# Altium PCB RK_NVR_DEMO1_RK3588_LP4XD200P232SD8_V21_20211228_final_lint.PcbDoc (part 21 of 29) (continued)
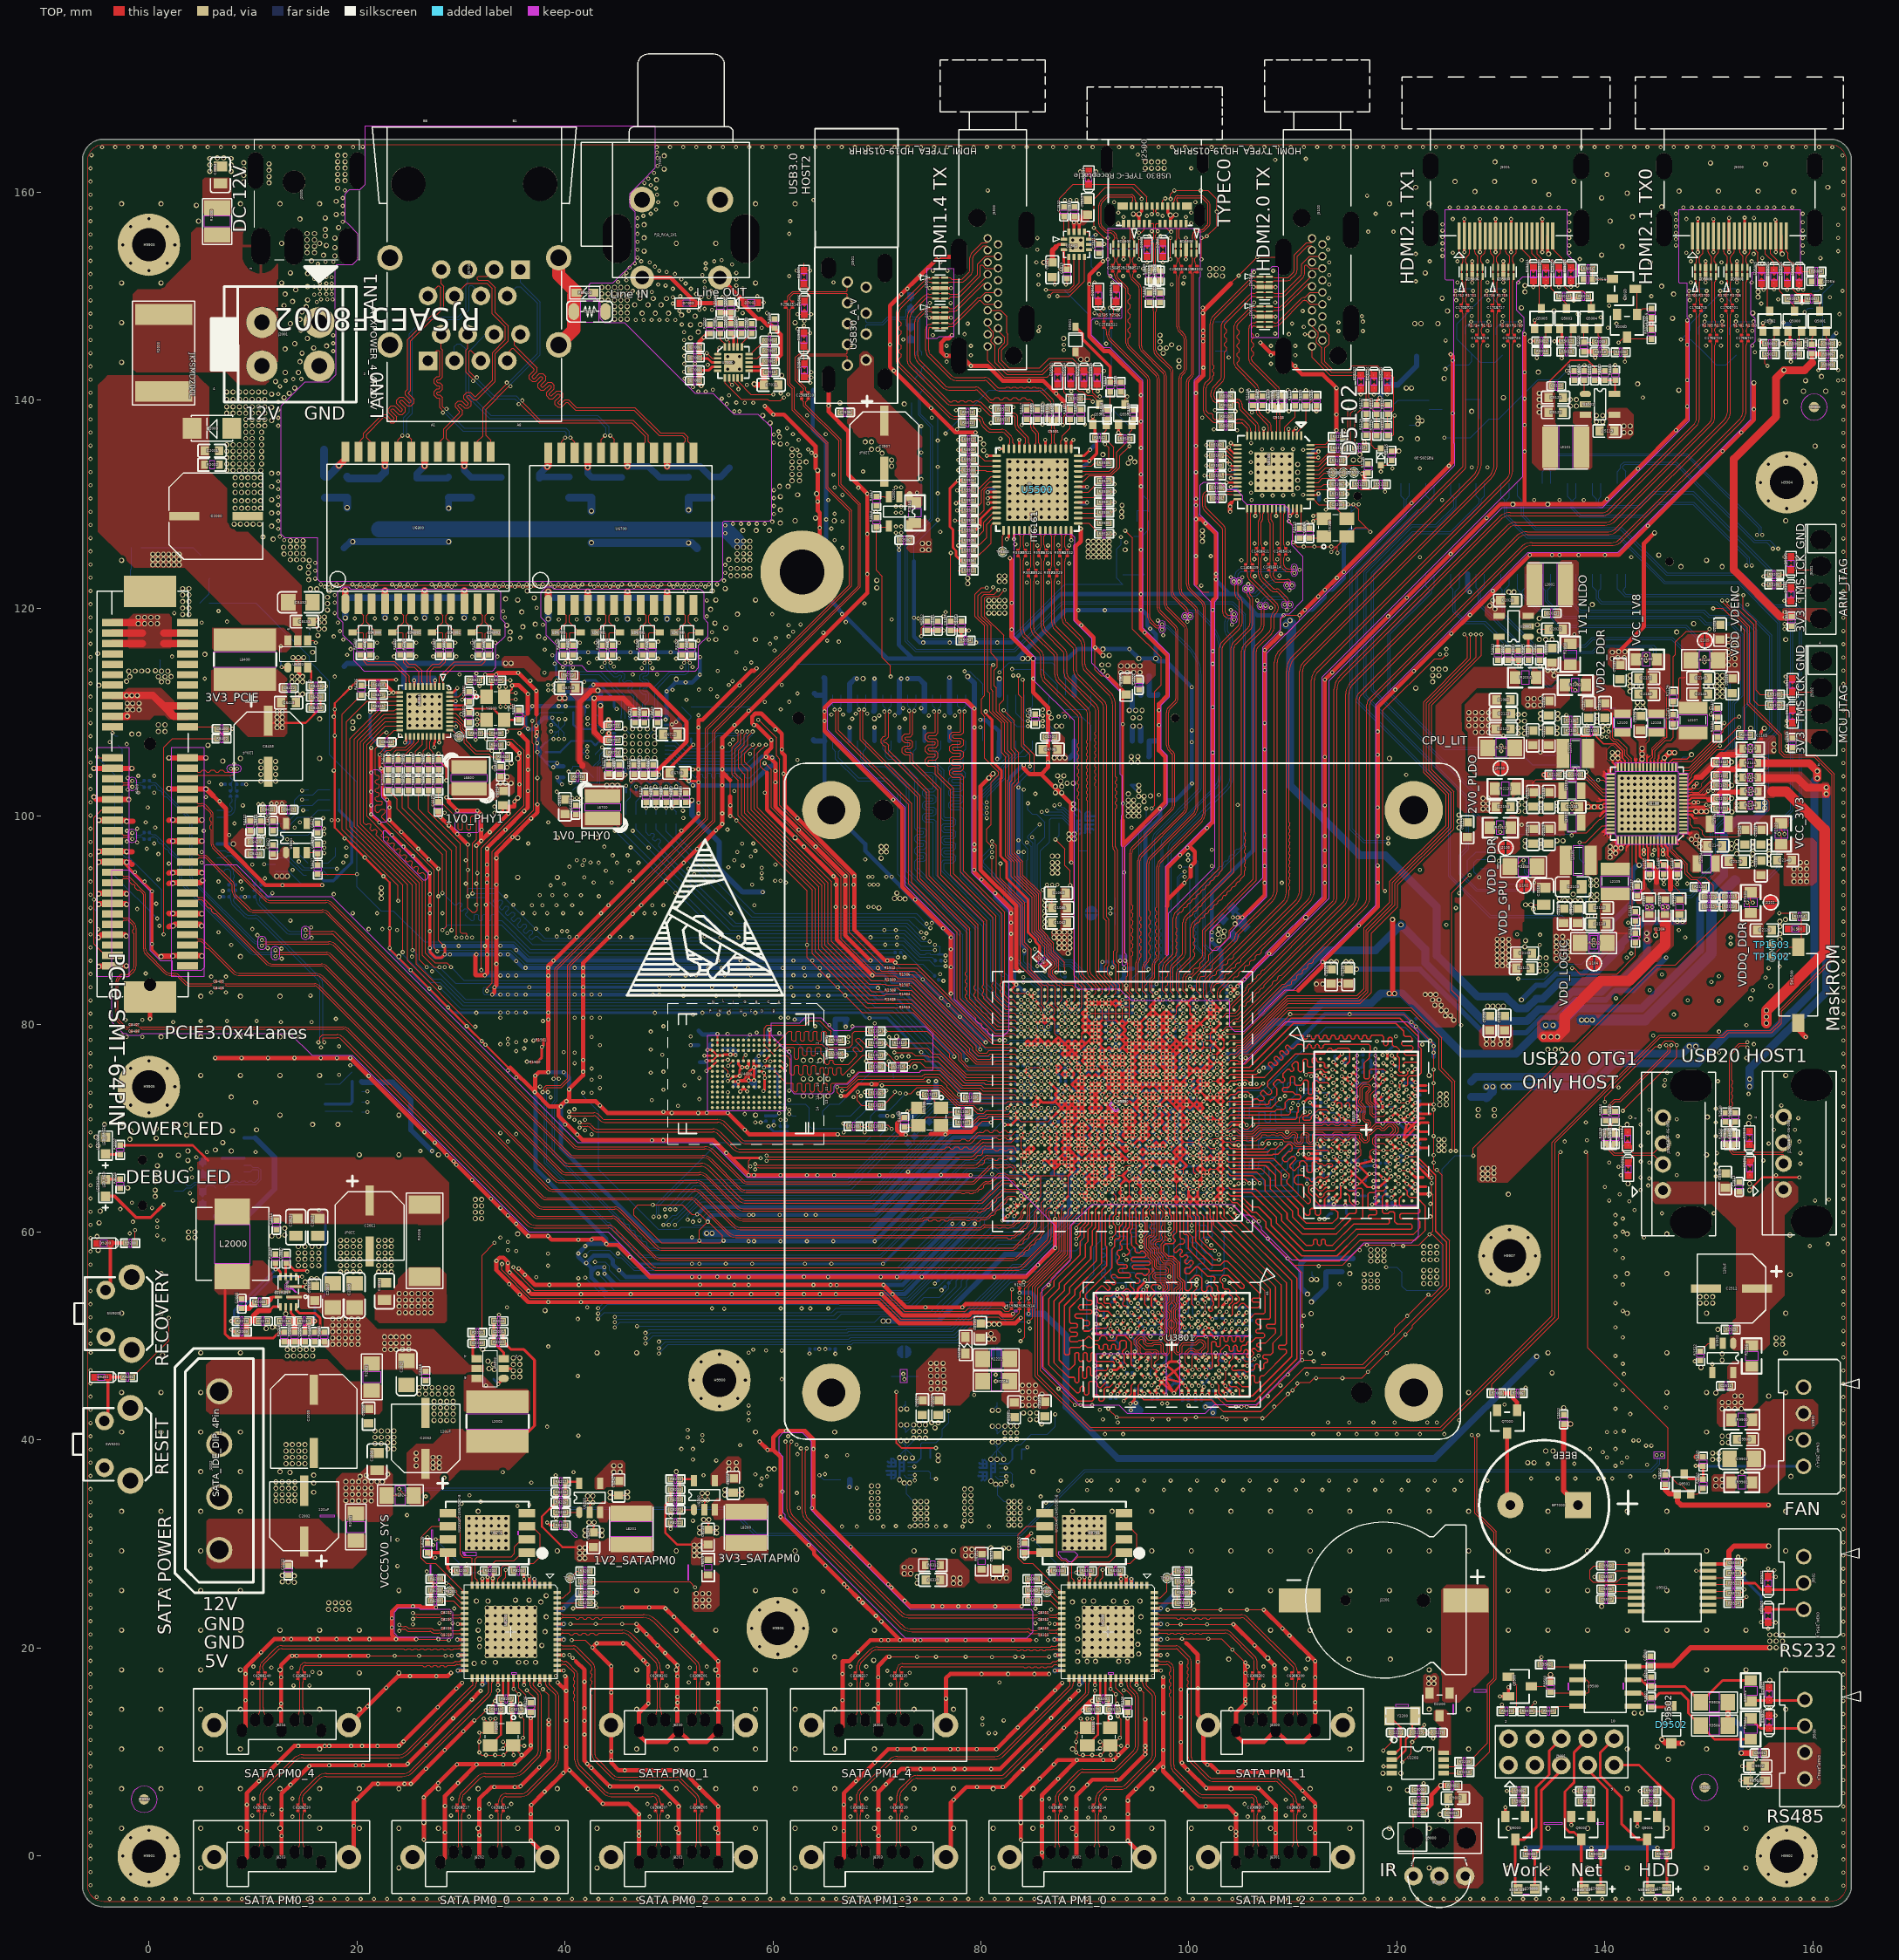
[diagram p0: TOP view]
## Nets (pads, with @x,y where several pads share a name; then routed paths per layer and width w, separated by ;. In a path a pad name is that pad's centre, name@x,y a point inside that pad or via, vN(x,y) a via of type N, cw(c..) or ccw(c..) an arc to the next point about the centre after c; other vN are vias at no path point) (continued)
  L6-S2 w0.089: 82.09,67.196 83.202,67.196 83.342,67.055 85.49,67.055 v4(85.815,67.38)
  L6-S2 w0.102: v4(66.819,69.593) 67.901,69.593 68.317,69.177 71.162,69.177 73.143,67.196 82.09,67.196 ; v4(82.186,13.043) 82.389,12.84 89.222,12.84 89.399,12.662 99.331,12.662 101.998,9.995 115.104,9.995 116.472,8.628 v4(118.707,8.628)
  other v3: 118.707,8.628 82.186,13.043 85.815,67.38 66.819,69.593
  other v12: 118.707,8.628 82.186,13.043 85.815,67.38 66.819,69.593
  other v17: 82.186,13.043 66.819,69.593
SARADC_VIN5_HW_ID: C1502.1 R9300.2 R9301.1 U1000.AK15 | length 3.6
  TOP w0.089: v4(94.915,81.031) U1000.AK15@95.241,80.706
  BOTTOM w0.089: R9300.2@92.088,81.217 92.82,81.217 R9301.1@92.864,81.261 93.306,80.819 94.219,80.819 C1502.1@94.515,81.115 94.831,81.115 v4(94.915,81.031)
  other v3: 94.915,81.031
SATA30_0_RXN: C8216.1 U1000.N34 | length 108.5
  TOP w0.076: v4(24.071,22.229) ccw(c24.415,22.574) 24.415,22.086 24.572,22.086 cw(c24.573,21.581) 24.93,21.938 ccw(c25.063,22.071) 25.063,21.882 27.119,21.882 cw(c27.119,21.637) 27.292,21.81 27.333,21.77 ccw(c27.423,21.86) 27.423,21.732 27.942,21.732 ccw(c27.941,22.281) C8216.1@28.33,21.893 ; v4(40.403,71.574) ccw(c40.671,71.842) 40.671,71.463 42.762,71.463 cw(c42.763,70.749) 43.267,71.254 43.518,71.004 ccw(c43.942,71.428) 43.942,70.828 54.684,70.828 cw(c54.685,69.768) 55.434,70.518 57.009,68.943 ccw(c57.425,69.359) 57.425,68.771 78.006,68.771 78.209,68.974 78.438,68.974 78.641,68.771 78.833,68.771 ccw(c78.833,68.859) 78.896,68.797 78.978,68.879 79.537,69.438 cw(c79.888,69.087) 79.888,69.584 80.228,69.584 80.431,69.787 80.66,69.787 80.863,69.584 81.092,69.584 81.295,69.787 81.523,69.787 81.727,69.584 81.955,69.584 82.158,69.787 82.387,69.787 82.59,69.584 82.819,69.584 U1000.N34@82.891,69.656
  L6-S2 w0.076: v4(24.071,22.229) ccw(c24.232,22.39) 24.232,22.162 24.375,22.162 ccw(c24.376,22.441) 24.655,22.441 24.655,31.57 29.318,36.233 34.297,36.233 39.082,41.018 39.082,70.463 cw(c39.864,70.463) 39.311,71.016 39.589,71.295 cw(c40.132,70.753) 40.132,71.519 40.27,71.519 ccw(c40.27,71.708) v4(40.403,71.574)
  other v3: 24.071,22.229 40.403,71.574
  other v12: 24.071,22.229 40.403,71.574
SATA30_0_RXP: C8218.1 U1000.N33 | length 108.7
  TOP w0.076: v4(24.071,21.663) cw(c24.415,21.319) 24.415,21.806 24.572,21.806 cw(c24.573,21.581) 24.732,21.74 ccw(c25.063,22.071) 25.063,21.603 27.017,21.603 cw(c27.017,21.393) 27.166,21.541 ccw(c27.38,21.756) 27.38,21.453 27.931,21.453 cw(c27.931,20.952) 28.285,21.306 C8218.1@28.33,21.262 ; v4(40.403,71.073) cw(c40.671,70.804) 40.671,71.184 42.762,71.184 cw(c42.762,70.749) 43.07,71.057 43.32,70.806 ccw(c43.942,71.428) 43.942,70.549 54.684,70.549 cw(c54.684,69.768) 55.236,70.32 56.811,68.745 ccw(c57.424,69.359) 57.425,68.491 78.833,68.491 ccw(c78.833,68.859) 79.093,68.599 79.176,68.682 79.735,69.241 cw(c79.888,69.087) 79.888,69.304 82.973,69.304 83.325,69.656 U1000.N33@83.541,69.656
  L6-S2 w0.076: v4(24.071,21.663) 24.143,21.736 cw(c24.374,21.505) 24.374,21.832 ; 24.375,21.832 ccw(c24.376,22.441) 24.985,22.441 24.985,31.433 29.455,35.903 34.434,35.903 39.412,40.882 39.412,70.464 cw(c39.864,70.463) 39.544,70.782 39.823,71.061 cw(c40.132,70.753) 40.132,71.189 cw(c40.132,70.816) 40.396,71.079 v4(40.403,71.073)
  other v3: 24.071,21.663 40.403,71.073
  other v12: 24.071,21.663 40.403,71.073
SATA30_0_TXN: C8210.1 U1000.M33 | length 103.8
  TOP w0.076: v4(25.391,22.806) cw(c25.737,22.461) 25.737,22.949 27.983,22.949 cw(c27.983,22.563) 28.256,22.836 C8210.1@28.33,22.762 ; v4(41.419,70.057) cw(c41.687,69.788) 41.687,70.168 42.157,70.168 cw(c42.157,69.839) 42.39,70.072 42.644,69.818 ccw(c43.086,70.261) 43.087,69.634 54.22,69.634 cw(c54.22,68.897) 54.741,69.418 56.163,67.996 ccw(c56.869,68.701) 56.869,67.704 79.036,67.704 ccw(c79.036,68.167) 79.364,67.84 79.437,67.913 80.047,68.522 cw(c80.278,68.291) 80.278,68.618 82.913,68.618 83.301,69.006 U1000.M33@83.541,69.006
  L6-S2 w0.076: v4(25.391,22.806) 25.458,22.872 cw(c25.642,22.688) 25.642,22.949 ccw(c25.642,23.356) 25.93,23.068 25.933,23.071 ccw(c25.524,23.48) 26.103,23.48 26.103,31.128 30.065,35.09 34.942,35.09 40.581,40.729 40.581,69.655 cw(c40.9,69.655) 40.674,69.88 40.812,70.018 40.865,70.071 cw(c41.038,69.898) 41.038,70.142 41.212,70.142 cw(c41.212,69.85) v4(41.419,70.057)
  other v3: 25.391,22.806 41.419,70.057
  other v12: 25.391,22.806 41.419,70.057
SATA30_0_TXP: C8212.1 U1000.M34 | length 103.9
  TOP w0.076: v4(25.391,23.371) ccw(c25.736,23.716) 25.736,23.229 27.983,23.229 ccw(c27.983,23.67) 28.295,23.358 C8212.1@28.33,23.393 ; v4(41.419,70.558) ccw(c41.687,70.826) 41.687,70.447 42.157,70.447 cw(c42.157,69.839) 42.587,70.269 42.841,70.015 ccw(c43.086,70.261) 43.087,69.914 54.22,69.914 cw(c54.22,68.897) 54.939,69.616 56.361,68.194 ccw(c56.869,68.701) 56.869,67.983 76.483,67.983 76.687,68.187 76.915,68.187 77.118,67.983 77.347,67.983 77.55,68.187 77.779,68.187 77.982,67.983 78.211,67.983 78.414,68.187 78.642,68.187 78.846,67.983 79.036,67.983 ccw(c79.036,68.167) 79.166,68.037 79.24,68.111 79.849,68.72 cw(c80.278,68.291) 80.278,68.898 81.055,68.898 81.259,69.101 81.487,69.101 81.69,68.898 81.919,68.898 82.122,69.101 82.351,69.101 82.554,68.898 82.783,68.898 U1000.M34@82.891,69.006
  L6-S2 w0.076: v4(25.391,23.371) 25.458,23.305 ccw(c25.642,23.489) 25.51,23.265 cw(c25.641,22.688) 25.642,23.279 ccw(c25.642,23.356) 25.696,23.302 25.699,23.305 ccw(c25.524,23.48) 25.772,23.48 25.772,31.265 29.928,35.421 34.805,35.421 40.25,40.866 40.25,69.655 cw(c40.899,69.655) 40.44,70.114 40.631,70.304 cw(c41.037,69.898) 41.038,70.473 41.212,70.473 ccw(c41.212,70.766) v4(41.419,70.558)
  other v3: 25.391,23.371 41.419,70.558
  other v12: 25.391,23.371 41.419,70.558
SATA30_1_RXN: C8316.1 U1000.J34 | length 90.6
  TOP w0.076: v4(58.297,66.044) cw(c58.627,65.714) 58.627,66.18 79.358,66.18 ccw(c79.358,66.874) 79.849,66.383 79.951,66.485 80.154,66.485 80.357,66.688 80.357,66.891 80.459,66.993 cw(c80.704,66.747) 80.704,67.094 81.125,67.094 81.328,66.891 81.557,66.891 81.76,67.094 81.988,67.094 82.09,66.993 82.522,66.993 82.623,67.094 82.852,67.094 U1000.J34@82.891,67.055 ; v4(61.78,39.866) ccw(c62.125,39.52) 61.637,39.52 61.637,33.363 ccw(c62.523,33.363) 61.897,32.737 72.337,22.296 72.373,22.26 ccw(c73.346,23.234) 73.347,21.857 84.566,21.857 cw(c84.566,21.621) 84.733,21.788 ccw(c84.995,22.05) 84.995,21.679 85.217,21.679 ccw(c85.217,22.409) C8316.1@85.734,21.893
  L6-S2 w0.076: v4(58.297,66.044) cw(c58.505,65.836) 58.505,66.129 cw(c58.505,65.943) 58.691,65.943 58.691,41.397 ccw(c59.296,41.397) 58.868,40.969 60.563,39.274 ccw(c60.851,39.561) 60.851,39.154 61.155,39.154 ccw(c61.155,39.561) 61.561,39.561 cw(c61.768,39.561) 61.621,39.707 v4(61.78,39.866)
  other v3: 61.78,39.866 58.297,66.044
  other v12: 61.78,39.866 58.297,66.044
SATA30_1_RXP: C8318.1 U1000.J33 | length 90.8
  TOP w0.076: v4(58.297,66.545) ccw(c58.505,66.752) 58.505,66.459 79.358,66.459 ccw(c79.358,66.874) 79.651,66.581 80.261,67.19 cw(c80.704,66.747) 80.704,67.374 83.222,67.374 U1000.J33@83.541,67.055 ; v4(61.215,39.866) cw(c60.87,39.521) 61.358,39.521 61.358,33.363 ccw(c62.523,33.363) 61.699,32.539 72.139,22.099 72.175,22.063 ccw(c73.346,23.234) 73.347,21.577 84.422,21.578 cw(c84.422,21.274) 84.637,21.489 ccw(c84.851,21.703) 84.851,21.4 85.401,21.4 cw(c85.401,20.93) C8318.1@85.734,21.262
  L6-S2 w0.076: v4(58.297,66.545) ccw(c58.504,66.752) 58.504,66.46 cw(c58.505,65.943) 59.021,65.943 59.021,41.397 ccw(c59.296,41.397) 59.101,41.203 60.797,39.507 ccw(c60.851,39.561) 60.851,39.485 61.155,39.485 ccw(c61.155,39.561) 61.231,39.561 61.231,39.85 v4(61.215,39.866)
  other v3: 61.215,39.866 58.297,66.545
  other v12: 61.215,39.866 58.297,66.545
SATA30_1_TXN: C8312.1 U1000.K34 | length 87.8
  TOP w0.076: v4(59.394,66.856) cw(c59.662,66.588) 59.662,66.967 79.014,66.967 ccw(c79.014,67.667) 79.509,67.172 79.735,67.398 80.022,67.398 80.184,67.56 80.184,67.847 80.25,67.913 80.266,67.929 cw(c80.459,67.736) 80.459,68.009 81.208,68.009 81.411,67.806 81.64,67.806 81.843,68.009 82.071,68.009 82.275,67.806 82.503,67.806 82.706,68.009 82.99,68.009 83.067,67.933 83.067,67.782 82.99,67.705 U1000.K34@82.891,67.705 ; v4(62.688,39.207) cw(c62.344,38.862) 62.831,38.862 62.831,33.079 ccw(c63.919,33.079) 63.149,32.31 72.192,23.268 ccw(c73.022,24.098) 73.022,22.924 85.344,22.924 cw(c85.344,22.372) C8312.1@85.734,22.762
  L6-S2 w0.076: v4(59.394,66.856) cw(c59.601,66.649) 59.601,66.942 59.63,66.942 cw(c59.63,66.777) 59.795,66.777 59.795,66.526 ccw(c60.027,66.448) 59.794,66.525 ccw(c61.104,66.039) 59.707,66.039 59.707,43.607 ccw(c61.047,43.607) 60.099,42.659 62.748,40.011 cw(c62.67,39.933) 62.78,39.933 62.78,39.429 cw(c62.466,39.429) v4(62.688,39.207)
  other v3: 62.688,39.207 59.394,66.856
  other v12: 62.688,39.207 59.394,66.856
SATA30_1_TXP: C8310.1 U1000.K33 | length 87.8
  TOP w0.076: v4(59.394,67.358) ccw(c59.662,67.626) 59.662,67.247 79.014,67.247 ccw(c79.014,67.667) 79.312,67.37 80.069,68.127 cw(c80.458,67.736) 80.458,68.288 83.106,68.288 83.346,68.048 83.346,67.9 U1000.K33@83.541,67.705 ; v4(63.253,39.207) ccw(c63.599,38.861) 63.11,38.861 63.11,33.079 ccw(c63.919,33.079) 63.347,32.508 72.389,23.465 ccw(c73.022,24.098) 73.022,23.203 85.276,23.203 ccw(c85.276,23.851) C8310.1@85.734,23.393
  L6-S2 w0.076: v4(59.394,67.358) ccw(c59.601,67.565) 59.601,67.272 59.63,67.272 cw(c59.63,66.777) 60.125,66.777 60.125,66.478 cw(c60.048,66.477) 60.119,66.449 ccw(c61.104,66.04) 60.104,66.41 ccw(c61.103,66.038) 60.037,66.038 60.037,43.607 ccw(c61.047,43.607) 60.333,42.893 62.982,40.244 cw(c62.67,39.933) 63.11,39.933 63.11,39.552 ccw(c63.599,39.552) v4(63.253,39.207)
  other v3: 63.253,39.207 59.394,67.358
  other v12: 63.253,39.207 59.394,67.358
SATAPM0_GPIO0: U8200.17 U8201.6 | length 10.6
  TOP w0.102: U8201.6@28.738,31.719 27.227,31.719 26.179,30.671 26.179,28.639 26.687,28.131 27.562,28.131 U8200.17@30.365,25.328
SATAPM0_GPIO1: U8200.16 U8201.5 | length 8.6
  TOP w0.102: U8201.5@28.738,32.989 29.195,32.989 29.938,32.246 29.938,29.02 30.205,28.753 30.916,28.753 31.065,28.604 U8200.16@31.065,26.028
SATAPM0_GPIO2: U8200.15 U8201.2 | length 8.8
  TOP w0.102: U8200.15@31.565,26.028 31.565,26.504 31.36,26.708 31.36,28.563 31.589,28.791 34.84,28.791 35.145,29.096 35.145,29.731 35.863,30.449 U8201.2@36.339,30.449
SATAPM0_GPIO3: R8204.2 U8200.11 U8201.3 | length 10.2
  TOP w0.102: U8200.11@33.565,26.028 33.565,26.678 33.9,27.013 33.9,27.724 34.104,27.928 34.568,27.928 R8204.2@35.076,27.42 35.787,28.131 36.974,28.131 37.609,28.766 37.609,30.925 36.815,31.719 U8201.3@36.339,31.719
SATAPM0_GPIO4: R8205.2 U8200.10 U8201.7 | length 11.3
  TOP w0.102: v4(27.576,30.449) U8201.7@28.738,30.449 ; R8205.2@30.49,27.42 30.49,27.971 v4(30.548,28.029) ; U8200.10@34.065,26.028 34.065,26.568 34.307,26.81 v4(34.307,27.521)
  BOTTOM w0.102: v4(27.576,30.449) 29.995,28.029 v4(30.548,28.029) 33.799,28.029 v4(34.307,27.521)
  other v3: 34.307,27.521 30.548,28.029 27.576,30.449
SATAPM0_GPIO12: R8202.2 TP8200.1 U8200.63 | length 4
  TOP w0.102: U8200.63@39.265,24.827 39.843,24.827 40.495,25.48 TP8200.1@40.495,26.732 41.166,27.403 R8202.2@41.509,27.403
SATAPM0_GPIO13: R8210.2 TP8201.1 U8200.19 | length 2.9
  TOP w0.102: R8210.2@27.997,25.557 28.806,25.557 TP8201.1@28.938,25.424 30.035,24.328 U8200.19@30.365,24.328
SATAPM0_GPIO14: R8203.2 R8208.2 U8200.18 U8201.1 | length 12.2
  TOP w0.102: R8208.2@27.997,26.632 28.185,26.632 v4(28.592,26.226) 28.848,26.226 29.608,25.466 29.608,25.21 29.99,24.827 U8200.18@30.365,24.827 ; v4(31.767,27.27) 31.916,27.42 R8203.2@32.333,27.42 33.323,28.41 35.094,28.41 35.863,29.179 U8201.1@36.339,29.179
  BOTTOM w0.102: v4(28.592,26.226) 29.636,27.27 v4(31.767,27.27)
  other v3: 28.592,26.226 31.767,27.27
SATAPM0_REXT: R8206.1 U8200.42 | length 2.9
  TOP w0.102: U8200.42@35.565,17.127 35.565,16.147 36.246,15.465 36.246,15.211 R8206.1@36.72,14.738
SATAPM0_RSTN: C8204.1 R8200.2 R8201.2 U8200.62 | length 4.3
  TOP w0.102: U8200.62@39.265,24.328 41.501,24.328 C8204.1@41.509,24.319 R8200.2@41.509,25.345 R8201.2@41.509,26.374
SATAPM0_RSTN_L_GPIO4_A0: R8201.1 U1000.AK30 | length 135.8
  TOP w0.102: R8201.1@42.41,26.374 51.989,26.374 v4(52.519,25.845) ; v4(85.166,81.031) U1000.AK30@85.491,80.706
  L4-S1 w0.102: v4(39.717,88.938) 39.615,88.837 39.615,79.083 35.755,75.222 35.755,62.929 40.123,58.56 40.123,49.213 51.807,37.529 51.807,26.556 v4(52.519,25.845)
  L6-S2 w0.102: v4(39.717,88.938) 40.07,89.291 61.203,89.291 63.756,91.844 70.542,91.844 71.188,91.199 76.877,91.199 83.557,84.519 v4(84.091,84.519)
  BOTTOM w0.102: v4(84.091,84.519) 84.218,84.392 84.726,84.392 85.7,83.418 85.7,81.556 85.175,81.031 v4(85.166,81.031)
  other v3: 52.519,25.845 85.166,81.031 84.091,84.519 39.717,88.938
  other v12: 84.091,84.519 39.717,88.938
  other v17: 52.519,25.845 39.717,88.938
SATAPM0_RXN0: C8217.1 U8200.45 | length 17.7
  TOP w0.076: C8217.1@30.251,4.898 cw(c30.579,5.225) 30.116,5.225 30.116,5.563 cw(c30.636,5.563) 30.268,5.931 31.741,7.404 cw(c32.355,6.791) 32.355,7.658 35.044,7.658 ccw(c35.043,9.103) 36.064,8.081 36.104,8.121 37.375,9.391 ccw(c36.502,10.263) 37.736,10.263 37.736,15.346 ccw(c37.042,15.347) 37.533,15.837 37.013,16.357 cw(c37.153,16.497) 36.959,16.456 cw(c37.153,16.499) 36.954,16.498 36.954,16.603 cw(c37.072,16.603) 36.989,16.686 ccw(c36.805,16.869) 37.065,16.869 U8200.45@37.065,17.127
SATAPM0_RXN1: C8202.1 U8200.57 | length 12.2
  TOP w0.076: U8200.57@39.265,21.827 39.537,21.827 cw(c39.537,21.601) 39.697,21.761 ccw(c39.803,21.867) 39.803,21.717 45.551,21.717 cw(c45.551,20.503) 46.41,21.362 48.848,18.923 cw(c48.082,18.157) 49.166,18.157 49.166,18.022 ccw(c49.764,18.022) C8202.1@49.342,17.598
SATAPM0_RXN2: C8207.1 U8200.51 | length 21
  TOP w0.076: U8200.51@39.265,18.827 39.558,18.827 cw(c39.558,18.586) 39.729,18.757 ccw(c39.897,19.094) 39.897,18.717 40.011,18.717 cw(c40.011,18.361) 40.262,18.613 41.073,17.802 cw(c40.683,17.412) 41.235,17.412 41.235,9.233 ccw(c42.078,9.233) 41.482,8.637 43.883,6.236 ccw(c44.434,6.788) 44.435,6.007 48.378,6.007 cw(c48.378,5.22) 49.166,5.22 ccw(c49.519,5.22) 49.269,4.97 C8207.1@49.342,4.898
SATAPM0_RXN3: C8222.1 U8200.34 | length 26.6
  TOP w0.076: C8222.1@11.161,4.898 cw(c11.586,5.322) 10.986,5.322 10.986,5.912 cw(c11.39,5.912) 11.104,6.198 14.044,9.138 cw(c14.825,8.358) 14.825,9.462 24.014,9.462 ccw(c24.014,10.763) 24.934,9.843 31.306,16.215 ccw(c30.941,16.581) 31.43,16.414 ccw(c31.344,16.443) 31.434,16.428 31.447,16.504 ccw(c30.885,16.599) 31.455,16.599 31.455,16.603 cw(c31.586,16.603) 31.493,16.696 ccw(c31.188,16.918) 31.565,16.918 U8200.34@31.565,17.127
SATAPM0_RXN4: C8240.1 U8200.28 | length 21.4
  TOP w0.076: C8240.1@11.161,17.598 11.127,17.632 cw(c11.514,18.019) 10.966,18.02 cw(c11.567,18.072) 10.964,18.07 10.964,18.245 cw(c11.249,18.245) 11.047,18.446 12.368,19.767 cw(c12.78,19.355) 12.78,19.938 24.474,19.938 24.562,19.85 24.79,19.85 24.878,19.938 25.106,19.938 25.193,19.85 25.422,19.85 25.509,19.938 25.738,19.938 25.825,19.85 26.054,19.85 26.141,19.938 26.37,19.938 26.457,19.85 26.686,19.85 26.773,19.938 27.002,19.938 27.089,19.85 27.318,19.85 27.405,19.938 27.634,19.938 27.721,19.85 27.95,19.85 28.037,19.938 28.266,19.938 28.353,19.85 28.582,19.85 28.669,19.938 28.898,19.938 28.985,19.85 29.214,19.85 29.301,19.938 29.773,19.938 cw(c29.773,19.66) 29.969,19.856 ccw(c30.039,19.926) 30.039,19.827 U8200.28@30.365,19.827
SATAPM0_RXN5: C8210.2 U8200.22 | length 1.6
  TOP w0.076: C8210.2@28.83,22.762 28.832,22.764 cw(c29.252,22.343) 29.153,22.93 ccw(c29.252,23.764) 29.252,22.924 29.739,22.924 ccw(c29.74,23.529) 29.857,22.935 cw(c29.827,22.756) 29.955,22.885 ccw(c30.154,23.204) 30.154,22.827 U8200.22@30.365,22.827
SATAPM0_RXN_0: C8217.2 J8202.5 | length 4.2
  TOP w0.076: C8217.2@30.251,4.398 ccw(c30.676,3.973) 30.076,3.973 30.076,1.156 ccw(c30.718,1.156) 30.264,0.702 J8202.5@30.571,0.395
SATAPM0_RXN_1: C8202.2 J8200.5 | length 4.2
  TOP w0.076: C8202.2@49.342,17.098 ccw(c49.766,16.673) 49.166,16.673 49.166,14.291 ccw(c50.857,14.291) J8200.5@49.661,13.095
SATAPM0_RXN_2: C8207.2 J8201.5 | length 4.2
  TOP w0.076: C8207.2@49.342,4.398 49.335,4.391 ccw(c49.74,3.986) 49.167,3.986 ccw(c49.766,3.946) 49.166,3.948 49.166,1.461 ccw(c50.544,1.461) 49.569,0.486 J8201.5@49.661,0.395
SATAPM0_RXN_3: C8222.2 J8203.5 | length 4.2
  TOP w0.076: C8222.2@11.161,4.398 ccw(c11.586,3.973) 10.986,3.973 10.986,1.359 ccw(c12.118,1.359) 11.317,0.558 J8203.5@11.481,0.395
SATAPM0_RXN_4: C8240.2 J8204.5 | length 4.2
  TOP w0.076: C8240.2@11.161,17.098 ccw(c11.586,16.673) 10.986,16.673 10.986,14.262 ccw(c12.608,14.263) 11.461,13.115 J8204.5@11.481,13.095
SATAPM0_RXP0: C8219.1 U8200.44 | length 17.7
  TOP w0.076: C8219.1@29.62,4.898 29.679,4.956 ccw(c29.299,5.337) 29.836,5.337 29.836,5.563 cw(c30.636,5.563) 30.071,6.129 31.544,7.602 cw(c32.354,6.791) 32.354,7.938 35.043,7.938 ccw(c35.043,9.103) 35.867,8.279 35.907,8.319 37.177,9.589 ccw(c36.502,10.263) 37.456,10.263 37.456,15.346 ccw(c37.042,15.346) 37.335,15.64 36.776,16.198 36.743,16.231 cw(c36.908,16.396) 36.675,16.396 36.675,16.612 ccw(c36.58,16.612) 36.647,16.679 cw(c36.846,16.878) 36.565,16.878 U8200.44@36.565,17.127
SATAPM0_RXP1: C8203.1 U8200.56 | length 12.3
  TOP w0.076: U8200.56@39.265,21.328 39.537,21.328 ccw(c39.537,21.554) 39.697,21.394 cw(c39.803,21.288) 39.803,21.438 40.366,21.438 40.532,21.273 40.76,21.273 40.925,21.438 41.154,21.438 41.319,21.273 41.548,21.273 41.713,21.438 41.941,21.438 42.106,21.273 42.335,21.273 42.5,21.438 42.729,21.438 42.894,21.273 43.122,21.273 43.287,21.438 45.551,21.438 cw(c45.551,20.503) 46.212,21.164 48.651,18.726 cw(c48.082,18.157) 48.886,18.157 48.886,18.022 cw(c48.288,18.022) C8203.1@48.711,17.598
SATAPM0_RXP2: C8208.1 U8200.50 | length 20.9
  TOP w0.076: U8200.50@39.265,18.328 39.526,18.328 ccw(c39.526,18.611) 39.726,18.411 cw(c39.833,18.217) 39.833,18.438 40.011,18.438 cw(c40.011,18.361) 40.065,18.416 40.876,17.604 cw(c40.683,17.412) 40.955,17.412 40.955,17.257 40.854,17.155 40.854,16.927 40.955,16.825 40.955,16.596 40.854,16.495 40.854,16.266 40.955,16.165 40.955,15.936 40.854,15.834 40.854,15.606 40.955,15.504 40.955,15.276 40.854,15.174 40.854,14.945 40.955,14.844 40.955,9.233 ccw(c42.078,9.233) 41.284,8.439 43.685,6.038 ccw(c44.434,6.788) 44.435,5.728 48.378,5.728 cw(c48.378,5.22) 48.886,5.22 cw(c48.533,5.22) 48.783,4.97 C8208.1@48.711,4.898
SATAPM0_RXP3: C8223.1 U8200.33 | length 26.6
  TOP w0.076: C8223.1@10.53,4.898 ccw(c10.106,5.322) 10.706,5.322 10.706,5.912 cw(c11.39,5.912) 10.906,6.395 13.847,9.336 cw(c14.825,8.358) 14.825,9.741 24.014,9.741 ccw(c24.014,10.763) 24.736,10.04 30.375,15.679 31.09,16.394 ccw(c30.885,16.599) 31.16,16.505 31.16,16.622 ccw(c31.053,16.622) 31.128,16.697 cw(c31.282,16.851) 31.065,16.851 U8200.33@31.065,17.127
SATAPM0_RXP4: C8241.1 U8200.27 | length 21.3
  TOP w0.076: C8241.1@10.53,17.598 ccw(c10.157,17.971) 10.685,17.971 10.685,18.245 cw(c11.249,18.245) 10.85,18.644 12.171,19.965 cw(c12.78,19.355) 12.78,20.217 29.807,20.217 ccw(c29.807,20.413) 29.946,20.275 cw(c30.074,20.146) 30.074,20.328 U8200.27@30.365,20.328
SATAPM0_RXP5: C8212.2 U8200.21 | length 1.6
  TOP w0.076: C8212.2@28.83,23.393 28.855,23.367 ccw(c29.252,23.764) 29.252,23.203 29.739,23.203 ccw(c29.739,23.529) 29.969,23.298 cw(c30.04,23.228) 30.04,23.328 U8200.21@30.365,23.328
SATAPM0_RXP_0: C8219.2 J8202.6 | length 4.2
  TOP w0.076: J8202.6@29.301,0.395 29.608,0.702 ccw(c29.154,1.156) 29.796,1.156 29.796,3.973 ccw(c29.196,3.973) C8219.2@29.62,4.398
SATAPM0_RXP_1: C8203.2 J8200.6 | length 4.2
  TOP w0.076: J8200.6@48.391,13.095 ccw(c47.195,14.291) 48.886,14.291 48.886,16.673 ccw(c48.286,16.673) C8203.2@48.711,17.098
SATAPM0_RXP_2: C8208.2 J8201.6 | length 4.2
  TOP w0.076: J8201.6@48.391,0.395 48.483,0.486 ccw(c47.508,1.461) 48.886,1.461 48.886,3.948 ccw(c48.286,3.948) 48.884,4.003 ccw(c48.349,4.003) 48.727,4.381 C8208.2@48.711,4.398
SATAPM0_RXP_3: C8223.2 J8203.6 | length 4.2
  TOP w0.076: J8203.6@10.211,0.395 10.374,0.558 ccw(c9.574,1.359) 10.706,1.359 10.706,3.973 ccw(c10.106,3.973) C8223.2@10.53,4.398
SATAPM0_RXP_4: C8241.2 J8204.6 | length 4.2
  TOP w0.076: J8204.6@10.211,13.095 10.231,13.115 ccw(c9.083,14.263) 10.706,14.262 10.706,16.673 ccw(c10.106,16.673) C8241.2@10.53,17.098
SATAPM0_TESTN: R8209.2 U8200.20 | length 2.7
  TOP w0.102: R8209.2@27.997,24.541 29.261,24.541 29.974,23.827 U8200.20@30.365,23.827
SATAPM0_TXN0: C8215.1 U8200.47 | length 16.1
  TOP w0.076: C8215.1@33.43,4.898 33.5,4.967 ccw(c33.145,5.321) 33.646,5.322 cw(c34.332,5.322) 34.332,6.007 35.812,6.007 ccw(c35.812,6.788) 36.364,6.236 38.904,8.776 ccw(c38.353,9.328) 39.133,9.328 39.133,15.38 ccw(c38.922,15.38) 39.071,15.529 38.3,16.3 38.226,16.374 cw(c38.35,16.498) 38.175,16.498 38.175,16.599 ccw(c38.05,16.599) 38.138,16.688 38.108,16.718 cw(c38.213,16.823) 38.065,16.823 U8200.47@38.065,17.127
SATAPM0_TXN1: C8200.1 U8200.59 | length 16.6
  TOP w0.076: U8200.59@39.265,22.827 39.52,22.827 ccw(c39.52,23.095) 39.709,22.906 cw(c39.787,22.829) 39.787,22.938 40.941,22.938 41.012,22.867 ; 41.012,22.867 41.082,22.797 41.311,22.797 41.381,22.867 ; 41.381,22.867 41.452,22.938 41.68,22.938 41.75,22.867 ; 41.75,22.867 41.821,22.797 42.049,22.797 42.12,22.867 ; 42.12,22.867 42.19,22.938 42.419,22.938 42.489,22.867 ; 42.489,22.867 42.559,22.797 42.788,22.797 42.858,22.867 ; 42.858,22.867 42.929,22.938 43.157,22.938 43.228,22.867 ; 43.228,22.867 43.298,22.797 43.527,22.797 43.597,22.867 ; 43.597,22.867 43.667,22.938 47.499,22.938 cw(c47.499,21.435) 48.562,22.498 52.524,18.535 52.527,18.532 cw(c52.118,18.123) 52.696,18.123 52.696,17.935 cw(c52.307,17.935) 52.583,17.66 C8200.1@52.521,17.598
SATAPM0_TXN2: C8206.1 U8200.53 | length 25.5
  TOP w0.076: U8200.53@39.265,19.827 39.631,19.827 39.741,19.938 40.804,19.938 cw(c40.804,19.755) 40.933,19.884 42.485,18.332 cw(c42.192,18.039) 42.606,18.039 42.606,17.899 42.505,17.797 42.505,17.568 42.606,17.467 42.606,17.238 42.505,17.137 42.505,16.908 42.606,16.806 42.606,16.578 42.505,16.476 42.505,16.248 42.606,16.146 42.606,15.917 42.505,15.816 42.505,15.587 42.606,15.486 42.606,9.759 ccw(c43.344,9.759) 42.822,9.238 44.399,7.661 ccw(c45.203,8.466) 45.203,7.328 50.786,7.328 cw(c50.786,7.044) 50.987,7.245 52.511,5.721 cw(c52.065,5.274) 52.696,5.274 52.696,5.22 cw(c52.343,5.22) 52.593,4.97 C8206.1@52.521,4.898
SATAPM0_TXN3: C8221.1 U8200.36 | length 24.6
  TOP w0.076: C8221.1@14.34,4.898 ccw(c14.029,5.209) 14.469,5.209 14.469,5.582 cw(c15.224,5.582) 14.69,6.116 16.125,7.551 cw(c17.06,6.616) 17.06,7.938 24.375,7.938 ccw(c24.375,9.13) 25.218,8.287 25.295,8.364 32.545,15.613 ccw(c32.23,15.928) 32.675,15.928 32.675,16.62 ccw(c32.599,16.62) 32.653,16.674 32.587,16.739 cw(c32.641,16.793) 32.565,16.793 U8200.36@32.565,17.127
SATAPM0_TXN4: C8239.1 U8200.30 | length 16.7
  TOP w0.076: C8239.1@14.34,17.598 14.376,17.634 ccw(c14.09,17.92) 14.495,17.92 14.495,18.022 cw(c15.079,18.022) 15.079,18.606 29.235,18.606 ccw(c29.235,18.86) 29.414,18.68 cw(c29.504,18.591) 29.504,18.717 29.832,18.717 ccw(c29.832,18.853) 29.928,18.757 cw(c30.098,18.587) 30.098,18.827 U8200.30@30.365,18.827
SATAPM0_TXN5: C8216.2 U8200.24 | length 1.6
  TOP w0.076: C8216.2@28.83,21.893 28.873,21.85 ccw(c29.241,22.218) 29.241,21.697 29.787,21.697 ccw(c29.787,21.78) 29.805,21.699 ccw(c29.739,21.992) 29.951,21.78 29.958,21.786 cw(c30.057,21.687) 30.057,21.827 U8200.24@30.365,21.827
SATAPM0_TXN_0: C8215.2 J8202.3 | length 4.2
  TOP w0.076: J8202.3@33.111,0.395 33.346,0.63 ccw(c32.719,1.258) 33.606,1.258 33.606,4.001 ccw(c33.073,4.001) 33.45,4.378 C8215.2@33.43,4.398
SATAPM0_TXN_1: C8200.2 J8200.3 | length 4.2
  TOP w0.076: J8200.3@52.201,13.095 52.293,13.186 ccw(c51.318,14.161) 52.696,14.161 52.696,16.673 ccw(c52.096,16.673) C8200.2@52.521,17.098
SATAPM0_TXN_2: C8206.2 J8201.3 | length 4.2
  TOP w0.076: J8201.3@52.201,0.395 52.221,0.415 ccw(c51.073,1.563) 52.696,1.562 52.696,3.973 ccw(c52.096,3.973) C8206.2@52.521,4.398
SATAPM0_TXN_3: C8221.2 J8203.3 | length 4.2
  TOP w0.076: J8203.3@14.021,0.395 14.256,0.63 ccw(c13.629,1.258) 14.516,1.258 14.516,3.973 ccw(c13.916,3.973) C8221.2@14.34,4.398
SATAPM0_TXN_4: C8239.2 J8204.3 | length 4.2
  TOP w0.076: J8204.3@14.021,13.095 14.041,13.115 ccw(c12.893,14.263) 14.516,14.262 14.516,16.701 ccw(c13.983,16.701) 14.36,17.078 C8239.2@14.34,17.098
SATAPM0_TXP0: C8214.1 U8200.48 | length 16
  TOP w0.076: C8214.1@34.061,4.898 cw(c34.389,5.225) 33.926,5.225 33.926,5.322 cw(c34.332,5.322) 34.332,5.728 35.812,5.728 ccw(c35.812,6.788) 36.562,6.038 39.102,8.578 ccw(c38.352,9.328) 39.412,9.328 39.412,15.38 ccw(c38.922,15.38) 39.269,15.727 38.495,16.5 cw(c38.595,16.599) 38.458,16.566 cw(c38.595,16.6) 38.454,16.599 cw(c38.579,16.599) 38.491,16.688 ccw(c38.312,16.866) 38.565,16.866 U8200.48@38.565,17.127
SATAPM0_TXP1: C8201.1 U8200.60 | length 16.5
  TOP w0.076: U8200.60@39.265,23.328 39.552,23.328 cw(c39.552,23.137) 39.687,23.272 ccw(c39.819,23.404) 39.819,23.217 47.499,23.217 cw(c47.499,21.435) 48.759,22.695 52.725,18.73 cw(c52.118,18.123) 52.976,18.123 52.976,17.935 ccw(c53.365,17.935) 53.09,17.66 C8201.1@53.152,17.598
SATAPM0_TXP2: C8205.1 U8200.54 | length 25.6
  TOP w0.076: U8200.54@39.265,20.328 39.631,20.328 39.741,20.217 40.803,20.217 cw(c40.804,19.755) 41.13,20.082 42.683,18.53 cw(c42.192,18.039) 42.886,18.039 42.886,9.759 ccw(c43.343,9.759) 43.02,9.435 44.596,7.859 ccw(c45.203,8.466) 45.203,7.608 50.786,7.608 cw(c50.786,7.044) 51.185,7.442 52.709,5.918 cw(c52.065,5.274) 52.976,5.274 52.976,5.22 ccw(c53.329,5.22) 53.079,4.97 C8205.1@53.152,4.898
SATAPM0_TXP3: C8220.1 U8200.37 | length 24.6
  TOP w0.076: C8220.1@14.971,4.898 14.86,5.009 cw(c15.12,5.269) 14.752,5.269 cw(c15.174,5.322) 14.749,5.322 14.749,5.582 cw(c15.224,5.582) 14.888,5.918 16.323,7.353 cw(c17.06,6.616) 17.06,7.658 24.376,7.658 ccw(c24.375,9.13) 25.416,8.089 32.742,15.416 ccw(c32.23,15.928) 32.954,15.928 32.954,16.62 cw(c33.031,16.62) 32.977,16.674 33.042,16.739 ccw(c32.989,16.793) 33.065,16.793 U8200.37@33.065,17.127
SATAPM0_TXP4: C8238.1 U8200.31 | length 16.6
  TOP w0.076: C8238.1@14.971,17.598 14.863,17.707 cw(c15.076,17.92) 14.774,17.92 14.774,18.022 cw(c15.079,18.022) 15.079,18.326 26.313,18.326 26.414,18.225 26.643,18.225 26.745,18.326 26.973,18.326 27.075,18.225 27.303,18.225 27.405,18.326 27.634,18.326 27.735,18.225 27.964,18.225 28.065,18.326 28.294,18.326 28.396,18.225 28.624,18.225 28.726,18.326 29.389,18.326 ccw(c29.389,18.488) 29.503,18.374 cw(c29.658,18.218) 29.658,18.438 29.836,18.438 cw(c29.836,18.291) 29.94,18.395 ccw(c30.155,18.704) 30.155,18.328 U8200.31@30.365,18.328
SATAPM0_TXP5: C8218.2 U8200.25 | length 1.6
  TOP w0.076: C8218.2@28.83,21.262 cw(c29.255,20.837) 28.956,21.359 cw(c29.099,21.216) 29.099,21.418 29.849,21.418 cw(c29.849,21.273) 29.951,21.375 29.958,21.369 ccw(c30.057,21.468) 30.057,21.328 U8200.25@30.365,21.328
SATAPM0_TXP_0: C8214.2 J8202.2 | length 4.2
  TOP w0.076: C8214.2@34.061,4.398 34.042,4.378 ccw(c34.419,4.001) 33.886,4.001 33.886,1.258 ccw(c34.773,1.258) 34.145,0.63 J8202.2@34.381,0.395
SATAPM0_TXP_1: C8201.2 J8200.2 | length 4.2
  TOP w0.076: C8201.2@53.152,17.098 ccw(c53.576,16.673) 52.976,16.673 52.976,14.161 ccw(c54.354,14.161) 53.379,13.186 J8200.2@53.471,13.095
SATAPM0_TXP_2: C8205.2 J8201.2 | length 4.2
  TOP w0.076: C8205.2@53.152,4.398 ccw(c53.576,3.973) 52.976,3.973 52.976,1.562 ccw(c54.599,1.563) 53.451,0.415 J8201.2@53.471,0.395
SATAPM0_TXP_3: C8220.2 J8203.2 | length 4.2
  TOP w0.076: C8220.2@14.971,4.398 ccw(c15.396,3.973) 14.796,3.973 14.795,1.258 ccw(c15.683,1.258) 15.055,0.63 J8203.2@15.291,0.395
SATAPM0_TXP_4: C8238.2 J8204.2 | length 4.2
  TOP w0.076: C8238.2@14.971,17.098 14.952,17.078 ccw(c15.329,16.701) 14.795,16.701 14.795,14.262 ccw(c16.418,14.263) 15.271,13.115 J8204.2@15.291,13.095
SATAPM0_XIN: C8213.1 R8207.2 U8200.39 Y8200.3 | length 7
  TOP w0.203: Y8200.3@32.826,10.644 33.849,11.667 C8213.1@33.849,14.1 33.849,15.044 R8207.2@33.897,15.092 34.065,15.26 U8200.39@34.065,17.127
SATAPM0_XOUT: C8211.1 R8207.1 U8200.40 Y8200.1 | length 5
  TOP w0.203: U8200.40@34.565,17.127 34.565,15.324 R8207.1@34.797,15.092 34.866,15.023 C8211.1@34.866,14.101 34.866,12.503 Y8200.1@35.026,12.344
SATAPM1_GPIO0: U8300.17 U8301.6 | length 10.7
  TOP w0.102: U8301.6@86.142,31.719 84.377,31.719 83.583,30.925 83.583,28.639 84.091,28.131 84.966,28.131 U8300.17@87.769,25.328
SATAPM1_GPIO1: U8300.16 U8301.5 | length 8.4
  TOP w0.102: U8301.5@86.142,32.989 86.599,32.989 87.266,32.322 87.266,28.893 87.723,28.436 88.129,28.436 88.469,28.096 U8300.16@88.469,26.028
SATAPM1_GPIO2: U8300.15 U8301.2 | length 8.6
  TOP w0.102: U8300.15@88.969,26.028 88.969,26.504 88.764,26.708 88.764,28.232 89.323,28.791 92.244,28.791 92.549,29.096 92.549,29.731 93.267,30.449 U8301.2@93.743,30.449